# Altium PCB UCC28740DR Flyback converter PCB.PcbDoc
Units mm, origin at the board's own origin, x right, y up, seen from the top; angles counter-clockwise.
Board outline 125 x 193.4 mm, 2 copper layers (Top Layer, Bottom Layer), stack 1.569 mm thick; 135 components, 68 nets, 345 pads, 117 vias.
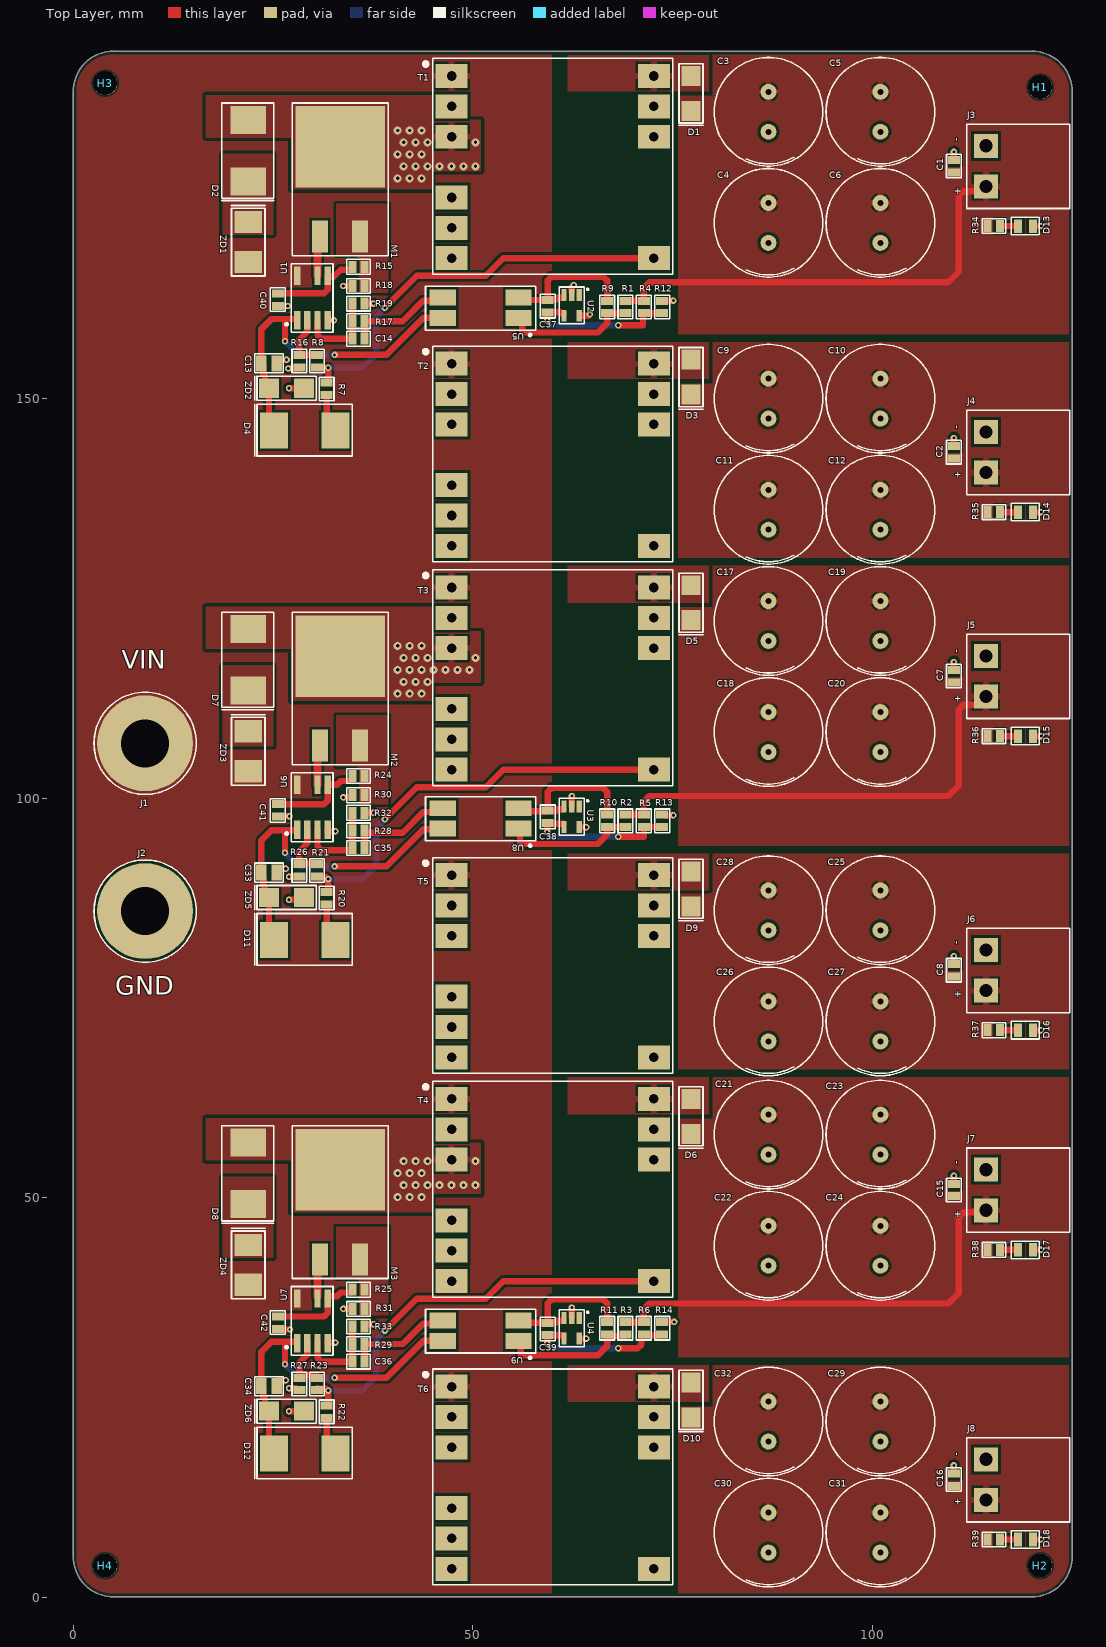
[diagram p0: Top Layer view]
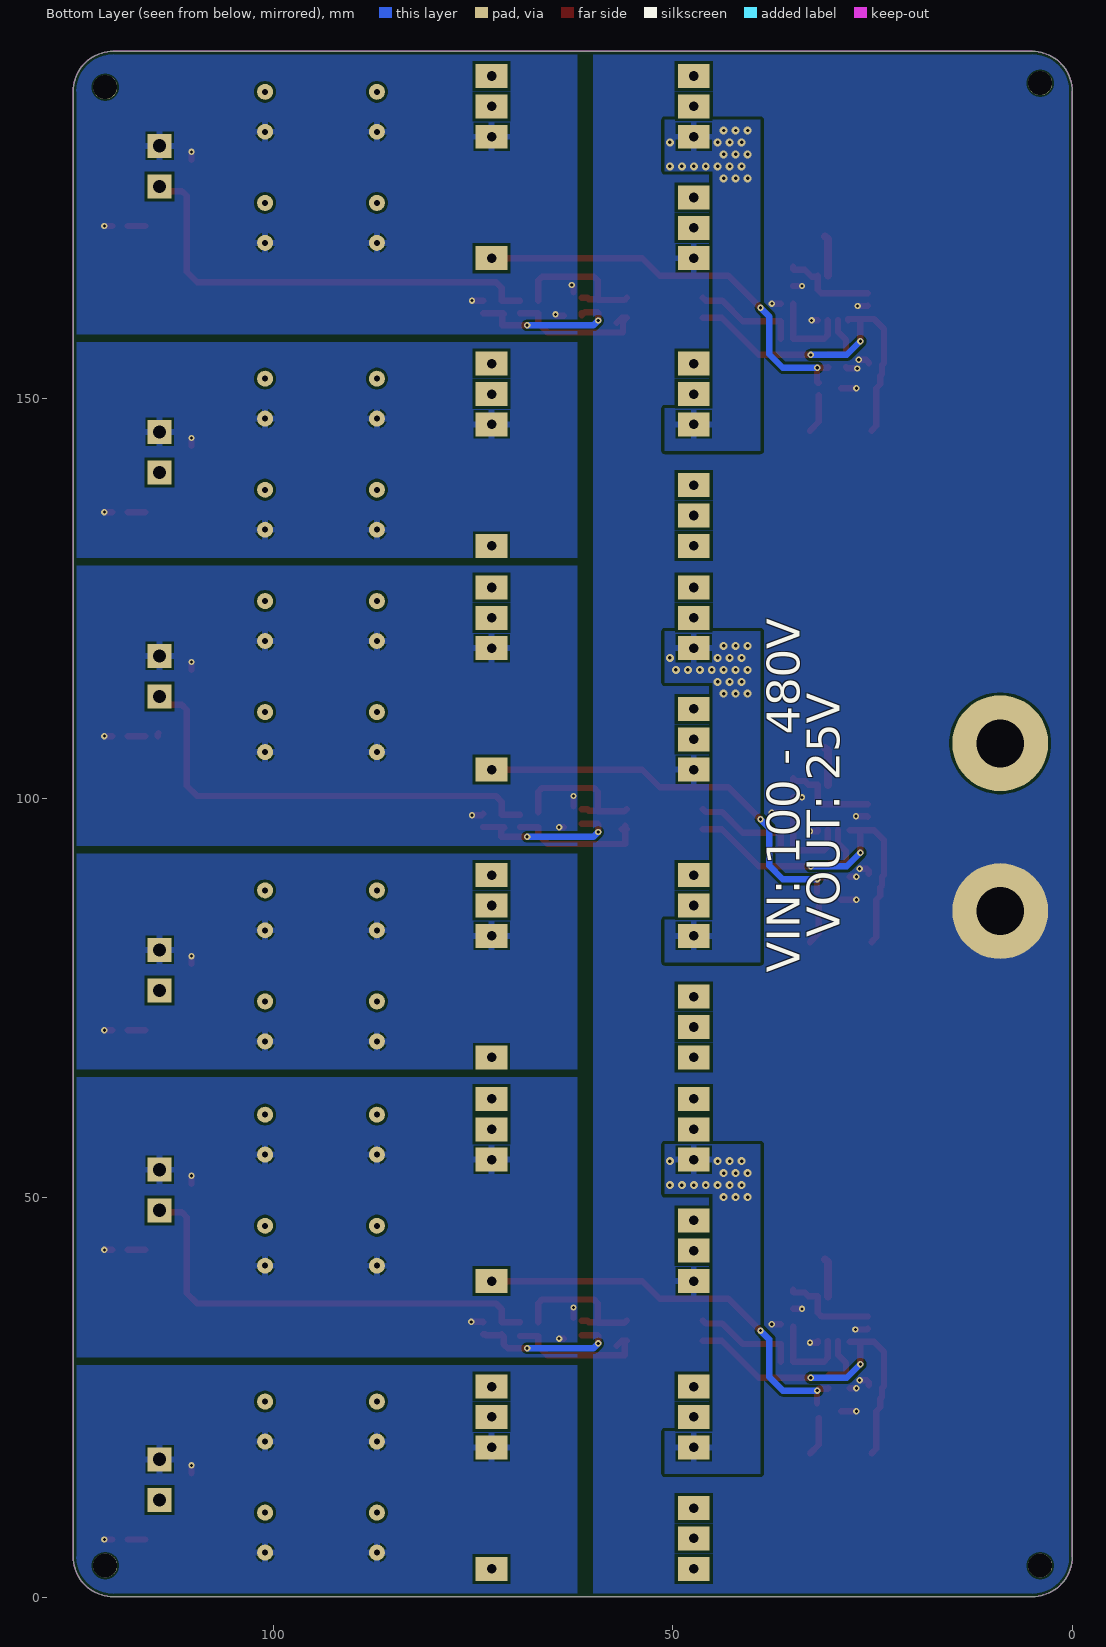
[diagram p1: Bottom Layer view, seen from below]
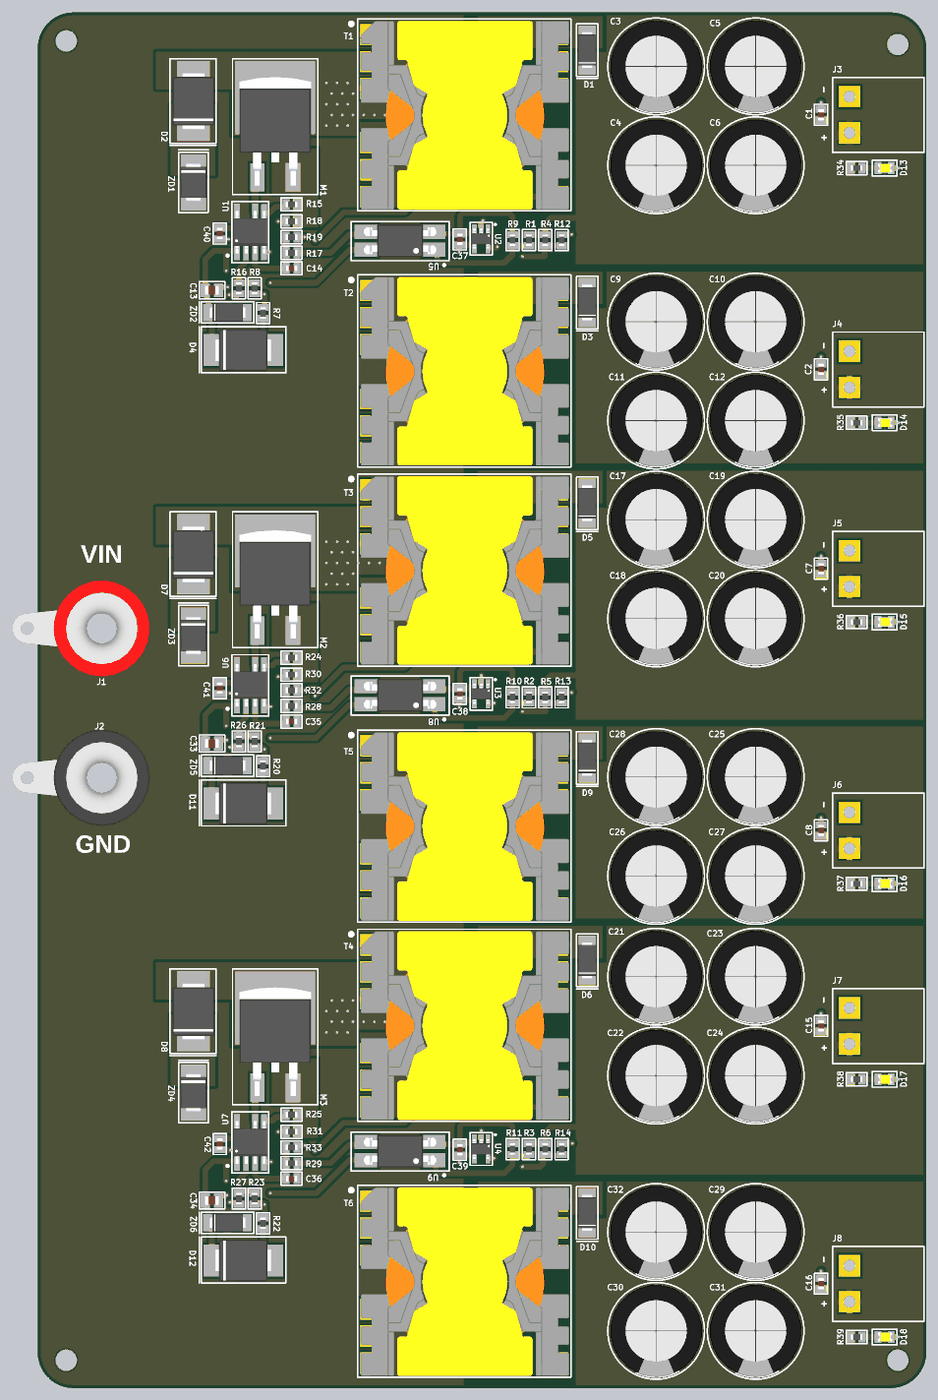
[diagram p2: 3D render of the assembled board from above, using the file's embedded part models]

## Layer stack, top to bottom
Top Solder: solder mask 0.0254, SM-001, Dk 4
Top Layer: signal copper 0.035
Dielectric 1: core 1.4986, Core-043, Dk 4.3
Bottom Layer: signal copper 0.035
Bottom Solder: solder mask 0.0254, SM-001, Dk 4

## Board outline
0,5.1 0,188.5 cw(c5,188.5) 5,193.5 120,193.5 cw(c120,188.5) 125,188.5 125,5.1 cw(c120,5.1) 120,0.1 5,0.1 cw(c5,5.1)

## Design rules (kind name [scope] priority, off if disabled: settings)
Clearance [All] p1: gap=0.2 ignorepadtopadclearanceinfootprint=FALSE except(0.15: SMDPad-SMDPad; 0.25: THPad-THPad; 0.35: Arc-Fill Arc-Poly Arc-Region Track-Fill Track-Poly Track-Region SMDPad-Fill SMDPad-Poly SMDPad-Region THPad-Fill THPad-Poly THPad-Region Via-Fill Via-Poly Via-Region; 0.4: Fill-Fill Fill-Poly Fill-Region Poly-Poly Poly-Region Region-Region)
Height [All] p1: minheight=0 maxheight=40 prefheight=12.7
HoleSize [All] p1: absolutevalues=TRUE maxlimit=6.3 minlimit=0.2 maxpercent=80.000 minpercent=20.000
HoleToHoleClearance HoleToHoleClearance_Pads [IsPad] p1: gap=0.45 allowstackedmicrovias=TRUE
HoleToHoleClearance HoleToHoleClearance_VIAs [IsVia] p2: gap=0.2 allowstackedmicrovias=TRUE
MinimumAnnularRing [IsPad] p1: minimumring=0.2
MinimumSolderMaskSliver [All] p1: minsoldermaskwidth=0.1
PolygonConnect [All] p1: thpad.connectstyle=Relief thpad.reliefconductorwidth=0.8 thpad.reliefentries=4 thpad.polygonreliefangle="90 Angle" thpad.airgapwidth=0.254 smdpad.connectstyle=Direct smdpad.reliefconductorwidth=0.254 smdpad.reliefentries=4 smdpad.polygonreliefangle="90 Angle" smdpad.airgapwidth=0.254 via.connectstyle=Direct via.reliefconductorwidth=0.254 via.reliefentries=4 via.polygonreliefangle="90 Angle" via.airgapwidth=0.254
RoutingVias [All] p1: holewidth=0.35 width=0.6 viastyle="Through Hole" minholewidth=0.3 minwidth=0.5 maxholewidth=1 maxwidth=2
SilkToSilkClearance [All] p1: silktosilkclearance=0.2
SilkToSolderMaskClearance [IsText] p1: minsilkscreentomaskgap=0.254 clearancetoexposedcopper=TRUE
SolderMaskExpansion [All] p1: expansion=0.038 istentingtop=FALSE
Width [All] p1: maxlimit=5 minlimit=0.16 preferedwidth=1 toplayer_prefwidth=0.6 minimp=50.000000 maximp=50.000000 favimp=50.000000
24 further rules are at their usual default settings.

## Components (designator, comment, footprint, x,y, rotation, side; value= is the part's Value field where it differs from the comment)
C1 "100n" 0603-CAP 110.2,179.125 r270 top
C2 "100n" 0603-CAP 110.2,143.325 r270 top
C3 "330u" "Electrolytic Capacitor D13 P5 H25" 87,185.925 r90 top
C4 "330u" "Electrolytic Capacitor D13 P5 H25" 87,172.025 r90 top
C5 "330u" "Electrolytic Capacitor D13 P5 H25" 101,185.925 r90 top
C6 "330u" "Electrolytic Capacitor D13 P5 H25" 101,172.025 r90 top
C7 "100n" 0603-CAP 110.2,115.3 r270 top
C8 "100n" 0603-CAP 110.2,78.5 r270 top
C9 "330u" "Electrolytic Capacitor D13 P5 H25" 87,150.025 r90 top
C10 "330u" "Electrolytic Capacitor D13 P5 H25" 101,150.025 r90 top
C11 "330u" "Electrolytic Capacitor D13 P5 H25" 87,136.125 r90 top
C12 "330u" "Electrolytic Capacitor D13 P5 H25" 101,136.125 r90 top
C13 "4.7u" 0805-CAP 24.5,154.45 r180 top
C14 "100n" 0603-CAP 35.7,157.525 r0 top
C15 "100n" 0603-CAP 110.2,51 r270 top
C16 "100n" 0603-CAP 110.2,14.76 r270 top
C17 "330u" "Electrolytic Capacitor D13 P5 H25" 87,122.2 r90 top
C18 "330u" "Electrolytic Capacitor D13 P5 H25" 87,108.3 r90 top
C19 "330u" "Electrolytic Capacitor D13 P5 H25" 101,122.2 r90 top
C20 "330u" "Electrolytic Capacitor D13 P5 H25" 101,108.3 r90 top
C21 "330u" "Electrolytic Capacitor D13 P5 H25" 87,57.925 r90 top
C22 "330u" "Electrolytic Capacitor D13 P5 H25" 87,44.025 r90 top
C23 "330u" "Electrolytic Capacitor D13 P5 H25" 101,57.925 r90 top
C24 "330u" "Electrolytic Capacitor D13 P5 H25" 101,44.025 r90 top
C25 "330u" "Electrolytic Capacitor D13 P5 H25" 101,86 r90 top
C26 "330u" "Electrolytic Capacitor D13 P5 H25" 87,72.1 r90 top
C27 "330u" "Electrolytic Capacitor D13 P5 H25" 101,72.1 r90 top
C28 "330u" "Electrolytic Capacitor D13 P5 H25" 87,86 r90 top
C29 "330u" "Electrolytic Capacitor D13 P5 H25" 101,22.025 r90 top
C30 "330u" "Electrolytic Capacitor D13 P5 H25" 87,8.125 r90 top
C31 "330u" "Electrolytic Capacitor D13 P5 H25" 101,8.125 r90 top
C32 "330u" "Electrolytic Capacitor D13 P5 H25" 87,22.025 r90 top
C33 "4.7u" 0805-CAP 24.5,90.725 r180 top
C34 "4.7u" 0805-CAP 24.5,26.45 r180 top
C35 "100n" 0603-CAP 35.7,93.8 r0 top
C36 "100n" 0603-CAP 35.7,29.525 r0 top
C37 "1n" 0603-CAP 59.375,161.6 r90 top
C38 "1n" 0603-CAP 59.375,97.7 r270 top
C39 "1n" 0603-CAP 59.375,33.6 r270 top
C40 "1n" 0603-CAP 25.6,162.425 r90 top
C41 "1n" 0603-CAP 25.6,98.5 r90 top
C42 "1n" 0603-CAP 25.6,34.4 r90 top
D1 "Schottky Diode" SMA(DO-214AC) 77.3,188.225 r90 top
D2 "Fast Diode" "SMC diode" 21.9,181.025 r90 top
D3 "Schottky Diode" SMA(DO-214AC) 77.3,152.725 r90 top
D4 "Fast Diode" "SMC diode" 28.9,146.025 r0 top
D5 "Schottky Diode" SMA(DO-214AC) 77.3,124.5 r90 top
D6 "Schottky Diode" SMA(DO-214AC) 77.3,60.225 r90 top
D7 "Fast Diode" "SMC diode" 21.9,117.3 r90 top
D8 "Fast Diode" "SMC diode" 21.9,53.025 r90 top
D9 "Schottky Diode" SMA(DO-214AC) 77.3,88.7 r90 top
D10 "Schottky Diode" SMA(DO-214AC) 77.3,24.725 r90 top
D11 "Fast Diode" "SMC diode" 28.9,82.3 r0 top
D12 "Fast Diode" "SMC diode" 28.9,18.025 r0 top
D13 "Yellow LED" "yellow led" 119.2,171.625 r180 top
D14 "Yellow LED" "yellow led" 119.2,135.825 r180 top
D15 "Yellow LED" "yellow led" 119.2,107.8 r180 top
D16 "Yellow LED" "yellow led" 119.2,71 r180 top
D17 "Yellow LED" "yellow led" 119.2,43.5 r180 top
D18 "Yellow LED" "yellow led" 119.2,7.26 r180 top
H1 "Mounting hole" "Monting Hole"#1 121,144 r0 top
H2 "Mounting hole" "Monting Hole"#2 121,4 r0 top
H3 "Mounting hole" "Monting Hole"#3 4,137.825 r0 top
H4 "Mounting hole" "Monting Hole"#2 4,4 r0 top
J1 "Banana Connector Red" "BANNANA CONNECTOR RED" 9,106.9 r90 top
J2 "Banana Connector Black" "BANNANA CONNECTOR BLACK" 9,85.9 r90 top
J3 "Plugg" "PLUGGABLE TERMINAL BLOCK 2" 114.2,179.125 r270 top
J4 "Plugg" "PLUGGABLE TERMINAL BLOCK 2" 114.2,143.325 r270 top
J5 "Plugg" "PLUGGABLE TERMINAL BLOCK 2" 114.2,115.3 r270 top
J6 "Plugg" "PLUGGABLE TERMINAL BLOCK 2" 114.2,78.5 r270 top
J7 "Plugg" "PLUGGABLE TERMINAL BLOCK 2" 114.2,51 r270 top
J8 "Plugg" "PLUGGABLE TERMINAL BLOCK 2" 114.2,14.76 r270 top
M1 "650V 20A MOSFET" TO-263 33.4,178.325 r0 top
M2 "650V 20A MOSFET" TO-263 33.4,114.6 r0 top
M3 "650V 20A MOSFET" TO-263 33.4,50.325 r0 top
R1 "15K" 0603-RES 69.1,161.5 r270 top
R2 "15K" 0603-RES 69.1,97.2 r270 top
R3 "15K" 0603-RES 69.1,33.7 r270 top
R4 "390K" 0603-RES 71.4,161.5 r270 top
R5 "390K" 0603-RES 71.4,97.2 r270 top
R6 "390K" 0603-RES 71.4,33.7 r270 top
R7 "22R" 0603-RES 31.7,151.25 r270 top
R8 "95K" 0603-RES 30.5,154.725 r90 top
R9 "1K" 0603-RES 66.8,161.5 r90 top
R10 "1K" 0603-RES 66.8,97.2 r90 top
R11 "1K" 0603-RES 66.8,33.7 r90 top
R12 "43K" 0603-RES 73.7,161.5 r90 top
R13 "43K" 0603-RES 73.7,97.2 r90 top
R14 "43K" 0603-RES 73.7,33.7 r90 top
R15 "1.37K" 0603-RES 35.7,166.525 r180 top
R16 "15K" 0603-RES 28.3,154.725 r270 top
R17 "205K" 0603-RES 35.7,159.725 r180 top
R18 "100m" 0603-RES 35.7,164.125 r180 top
R19 "18.7K" 0603-RES 35.7,161.925 r0 top
R20 "22R" 0603-RES 31.7,87.525 r270 top
R21 "95K" 0603-RES 30.5,91 r90 top
R22 "22R" 0603-RES 31.7,23.25 r270 top
R23 "95K" 0603-RES 30.5,26.725 r90 top
R24 "1.37K" 0603-RES 35.7,102.8 r180 top
R25 "1.37K" 0603-RES 35.7,38.525 r180 top
R26 "15K" 0603-RES 28.3,91 r270 top
R27 "15K" 0603-RES 28.3,26.725 r270 top
R28 "205K" 0603-RES 35.7,96 r180 top
R29 "205K" 0603-RES 35.7,31.725 r180 top
R30 "100m" 0603-RES 35.7,100.4 r180 top
R31 "100m" 0603-RES 35.7,36.125 r180 top
R32 "18.7K" 0603-RES 35.7,98.2 r0 top
R33 "18.7K" 0603-RES 35.7,33.925 r0 top
R34 "10K" 0603-RES 115.2,171.625 r0 top
R35 "10K" 0603-RES 115.2,135.825 r0 top
R36 "10K" 0603-RES 115.2,107.8 r0 top
R37 "10K" 0603-RES 115.2,71 r0 top
R38 "10K" 0603-RES 115.2,43.5 r0 top
R39 "10K" 0603-RES 115.2,7.26 r0 top
T1 "750343068" "29.2X30.35 TRANSFORMER" 60,179 r0 top
T2 "750343068" "29.2X30.35 TRANSFORMER" 60,143 r0 top
T3 "750343068" "29.2X30.35 TRANSFORMER" 60,115 r0 top
T4 "750343068" "29.2X30.35 TRANSFORMER" 60,51 r0 top
T5 "750343068" "29.2X30.35 TRANSFORMER" 60,79 r0 top
T6 "750343068" "29.2X30.35 TRANSFORMER" 60,15 r0 top
U1 "UCC2870DR" SOIC-7 29.3,162.625 r90 top
U2 "TL431IDBVR" SOT-23-5 62.375,161.7 r270 top
U3 "TL431IDBVR" SOT-23-5 62.375,97.7 r270 top
U4 "TL431IDBVR" SOT-23-5 62.375,33.7 r270 top
U5 "Optocoupler" "SMD-4P Optocoupler" 50.975,161.4 r180 top
U6 "UCC2870DR" SOIC-7 29.3,98.9 r90 top
U7 "UCC2870DR" SOIC-7 29.3,34.625 r90 top
U8 "Optocoupler" "SMD-4P Optocoupler" 50.975,97.5 r180 top
U9 "Optocoupler" "SMD-4P Optocoupler" 50.975,33.4 r180 top
ZD1 "Zener Diode 120V" "SMB Zener diode" 21.9,169.625 r270 top
ZD2 "Zener Diode 24V" SMA(DO-214AC) 26.7,151.325 r0 top
ZD3 "Zener Diode 120V" "SMB Zener diode" 21.9,105.9 r270 top
ZD4 "Zener Diode 120V" "SMB Zener diode" 21.9,41.625 r270 top
ZD5 "Zener Diode 24V" SMA(DO-214AC) 26.7,87.6 r0 top
ZD6 "Zener Diode 24V" SMA(DO-214AC) 26.7,23.325 r0 top

## Footprints (in the part's own frame and the unit in brackets; to place one, negate y for a bottom-side part, rotate by r counter-clockwise, add the part's x,y. Pads: shape width x height; smd on the part's side, far side on the other; paste and mask are expansions set on the pad)
"29.2X30.35 TRANSFORMER" [mm]
  rect 4x3 hole 1.2: 1(-12.65,11.4) 2(-12.65,7.6) 3(-12.65,3.8) 4(-12.65,-3.8) 5(-12.65,-7.6) 6(-12.65,-11.4) 7(12.65,-11.4) 10(12.65,3.8) 11(12.65,7.6) 12(12.65,11.4)
  silkscreen extent -16.12,-13.4 15,13.6, body extent -14.55,-13.2 14.75,13.3, height 29.04
0603-CAP [mm]
  rect 1x1.5 smd mask+0.04: 1(0.775,0) 2(-0.775,0)
  silkscreen extent -1.48,-0.92 1.48,0.92, body extent -0.8,-0.4 0.8,0.4, height 0.94
0603-RES [mm]
  rect 1x1.5 smd mask+0.04: 1(0.775,0) 2(-0.775,0)
  silkscreen extent -1.48,-0.92 1.48,0.92, body extent -0.8,-0.4 0.8,0.4, height 0.45
0805-CAP [mm]
  rect 1.3x2 smd mask+0.04: 1(0.95,0) 2(-0.95,0)
  silkscreen extent -1.8,-1.2 1.8,1.2, body extent -1,-0.63 1,0.63, height 1.45
"BANNANA CONNECTOR BLACK" [mm]
  round 12 hole 6: 1(0,0)
  silkscreen extent -6.4,-6.4 6.4,6.4, body extent -6.77,-6.77 6.77,12.56, height 8.46
"BANNANA CONNECTOR RED" [mm]
  round 12 hole 6: 1(0,0)
  silkscreen extent -6.4,-6.4 6.4,6.4, body extent -6.77,-6.77 6.77,12.56, height 8.46
"Electrolytic Capacitor D13 P5 H25" [mm]
  round 2 hole 0.75: 1(-2.5,0) 2(2.5,0)
  silkscreen extent -6.8,-6.8 6.8,6.8, body extent -6.51,-6.5 6.51,6.5, height 25
"Monting Hole"#1 [mm]
  round 3 hole 3: 1(0,45)
"Monting Hole"#2 [mm]
  round 3 hole 3: 1(0,0)
"Monting Hole"#3 [mm]
  round 3 hole 3: 1(0,51.675)
"PLUGGABLE TERMINAL BLOCK 2" [mm]
  rect 3x3 hole 1.65: 1(2.54,0) 2(-2.54,0)
  silkscreen extent -5.25,-2.37 5.3,10.48, body extent -5,-1.8 5,10.2, height 8.47
SMA(DO-214AC) [mm]
  rect 2.5x2.4 smd: 1(-2.2,0) 2(2.175,0)
  silkscreen extent -4,-1.5 3.7,1.5, body extent -2.57,-1.28 2.57,1.28, height 2.5
"SMB Zener diode" [mm]
  rect 2.8x3.5 smd: 1(-2.5,0) 2(2.5,0)
  silkscreen extent -4.57,-2.1 4.25,2.1, body extent -2.67,-1.81 2.67,1.81, height 2.65
"SMC diode" [mm]
  rect 3.5x4.5 smd: 1(-3.8,0) 2(3.9,0)
  silkscreen extent -6.2,-3.18 6,3.3, body extent -3.97,-2.95 3.97,2.95, height 2.62
"SMD-4P Optocoupler" [mm]
  rect 3.3x2 smd: 1(-4.75,1.27) 2(-4.75,-1.27) 3(4.75,1.27) 4(4.75,-1.27)
  silkscreen extent -6.9,-2.7 6.9,3.5, body extent -5.08,-2.3 5.08,2.3, height 3.85
SOIC-7 [mm]
  rect 2.3x0.8 smd: 1(-2.8,1.27) 2(-2.8,0) 3(-2.8,-1.27) 4(-2.8,-2.54) 5(2.8,-2.54) 6(2.8,-1.27) 7(2.8,1.27)
  silkscreen extent -4.3,-3.2 4.3,2.7, body extent -3,-3.1 3,1.8, height 1.75
SOT-23-5 [mm]
  rect 1.5x0.65 smd: 1(-1.3,0.95) 3(-1.3,-0.95) 4(1.3,-0.95) 5(-1.3,0) 5(1.3,0.95)
  silkscreen extent -2.3,-1.55 2.3,2.1, body extent -1.4,-1.45 1.4,1.45, height 1.45
TO-263 [mm]
  rect 2x4 smd: 1(-2.5,-8) 3(2.5,-8)
  rect 11.2x10.2 smd: 2(0,3.2)
  silkscreen extent -6,-10.4 6,8.7, body extent -5.03,-9.15 5.03,6.09, height 4.83
"yellow led" [mm]
  rect 1x1.7 smd: 1(1,0) 2(-0.9,0)
  silkscreen extent -1.7,-1.1 1.8,1.1, body extent -1.01,-0.63 1.01,0.63, height 0.8

## Part data
C1 C2 C7 C8 C14 C15 C16 C35 C36: library part "Cap 100nF", "50V 100nF X7R ±10% 0603 Multilayer Ceramic Capacitors MLCC - SMD/SMT ROHS", Manufacturer=YAGEO, Mfr. part #=CC0603KRX7R9BB104, Price=0.002, Supplier="LCSC ELECTRONICS", Supplier part #=C14663
C3 C4 C5 C6 C9 C10 C11 C12 C17 C18 C19 C20 C21 C22 C23 C24 C25 C26 C27 C28 C29 C30 C31 C32: library part "Electrolytic Cap 330u", "330uF 100V Plugin,D13xL26mm Aluminum Electrolytic Capacitors - Leaded ROHS", Manufacturer=HRK, Mfr. part #=CD2883372AM1326VFL, Price=0.1684, Supplier="LCSC ELECTRONICS", Supplier part #=C7493849
C13 C33 C34: library part "Cap 4.7uF", "50V 4.7uF X7R ±10% 0805 Multilayer Ceramic Capacitors MLCC - SMD/SMT ROHS", Manufacturer="FH (Guangdong Fenghua Advanced Tech)", Mfr. part #=0805B475K500NT, Price=0.0363, Supplier="LCSC ELECTRONICS", Supplier part #=C2991173
C37 C38 C39 C40 C41 C42: library part "Cap 1nF", "50V 1nF X7R ±10% 0603 Multilayer Ceramic Capacitors MLCC - SMD/SMT ROHS", Manufacturer=YAGEO, Mfr. part #=CC0603KRX7R9BB102, Price=0.002, Supplier="LCSC ELECTRONICS", Supplier part #=C100040
D1 D3 D5 D6 D9 D10: "100V Independent Type 850mV@5A 5A SMA(DO-214AC) Schottky Diodes ROHS", Manufacturer=TWGMC, Mfr. part #=SS510, Price=0.0458, Supplier="LCSC ELECTRONICS", Supplier part #=C727067
D2 D4 D7 D8 D11 D12: "1.7V@8A 80ns Independent Type 8A 1kV SMC Fast Recovery / High Efficiency Diodes ROHS", Manufacturer="Shandong Jingdao Microelectronics", Mfr. part #=US8MC, Price=0.0613, Supplier="LCSC ELECTRONICS", Supplier part #=C382940
D13 D14 D15 D16 D17 D18: "2-Yellow lens-30℃~+85℃ Positive post White 120° 80mW 0805 Light Emitting Diodes (LED) ROHS", Manufacturer=XINGLIGHT, Mfr. part #=XL-2012UWC, Price=0.0092, Supplier="LCSC ELECTRONICS", Supplier part #=C965818
J1: "Terminal Red Banana Connectors / Alligator Clips ROHS", Manufacturer="Changzhou Amass Elec", Mfr. part #=24.247.1, Price=0.1796, Supplier="LCSC ELECTRONICS", Supplier part #=C106273
J2: "Terminal Black Banana Connectors / Alligator Clips ROHS", Manufacturer="Changzhou Amass Elec", Mfr. part #=24.247.2, Price=0.1626, Supplier="LCSC ELECTRONICS", Supplier part #=C106272
J3 J4 J5 J6 J7 J8: library part "Pluggable Rozzeta 2P", "2 Bend 1 5.08mm 1x2P Green Board Edge/Receptacle-Open Push-Pull,P=5.08mm Pluggable System Terminal Block", Manufacturer="Ningbo Kangnex Elec", Mfr. part #=WJ2EDGR-5.08-2P, Price=0.0342, Supplier="LCSC ELECTRONICS", Supplier part #=C8383
M1 M2 M3: "650V 20A 190mΩ 126W 3.5V TO-263 MOSFETs ROHS", Manufacturer=ANHI, Mfr. part #=ASB65R220E, Price=1.0433, Supplier="LCSC ELECTRONICS", Supplier part #=C18199767
R1 R2 R3 R16 R26 R27: library part "Resistor 15K", "100mW Thick Film Resistors 75V ±100ppm/℃ ±1% 15kΩ 0603 Chip Resistor - Surface Mount ROHS", Manufacturer=FOJAN, Mfr. part #=FRC0603F1502TS, Price=0.0009, Supplier="LCSC ELECTRONICS", Supplier part #=C2906995
R4 R5 R6: library part "Resistor 390K", "100mW Thick Film Resistors 75V ±100ppm/℃ ±5% 390kΩ 0603 Chip Resistor - Surface Mount ROHS", Manufacturer=FOJAN, Mfr. part #="FRC0603J394 TS", Price=0.0007, Supplier="LCSC ELECTRONICS", Supplier part #=C2907158
R7 R20 R22: library part "Resistor 22R", "100mW Thick Film Resistors 75V ±100ppm/℃ ±5% 22Ω 0603 Chip Resistor - Surface Mount ROHS", Manufacturer=FOJAN, Mfr. part #="FRC0603J220 TS", Price=0.0007, Supplier="LCSC ELECTRONICS", Supplier part #=C2907129
R8 R21 R23: library part "Resistor 95K", "100mW Thick Film Resistors 75V ±100ppm/℃ ±1% 95.3kΩ 0603 Chip Resistor - Surface Mount ROHSFOJAN", Manufacturer=FOJAN, Mfr. part #=FRC0603F9532TS, Price=0.0009, Supplier="LCSC ELECTRONICS", Supplier part #=C2907078
R9 R10 R11: library part "Resistor 1K", "100mW Thick Film Resistors 75V ±100ppm/℃ ±5% 1kΩ 0603 Chip Resistor - Surface Mount ROHS", Manufacturer=FOJAN, Mfr. part #="FRC0603J102 TS", Price=0.0008, Supplier="LCSC ELECTRONICS", Supplier part #=C2907113
R12 R13 R14: library part "Resistor 43K", "100mW Thick Film Resistors 75V ±100ppm/℃ ±1% 43kΩ 0603 Chip Resistor - Surface Mount ROHS", Manufacturer=FOJAN, Mfr. part #=FRC0603F4302TS, Price=0.0008, Supplier="LCSC ELECTRONICS", Supplier part #=C2907038
R15 R24 R25: library part "Resistor 1.37K", "100mW Thick Film Resistors 75V ±100ppm/℃ ±1% 1.37kΩ 0603 Chip Resistor - Surface Mount ROHS", Manufacturer=FOJAN, Mfr. part #=FRC0603F1371TS, Price=0.0008, Supplier="LCSC ELECTRONICS", Supplier part #=C2933142
R17 R28 R29: library part "Resistor 205K", "100mW Thick Film Resistors 75V ±100ppm/℃ ±1% 205kΩ 0603 Chip Resistor - Surface Mount ROHS", Manufacturer=FOJAN, Mfr. part #=FRC0603F2053TS, Price=0.0008, Supplier="LCSC ELECTRONICS", Supplier part #=C5126104
R18 R30 R31: library part "Resistor 100mohm", "100mW Thick Film Resistors 75V ±800ppm/℃ ±1% 140mΩ 0603 Chip Resistor - Surface Mount ROHS", Manufacturer="UNI-ROYAL(Uniroyal Elec)", Mfr. part #=0603WAJ010KT5E, Price=0.003, Supplier="LCSC ELECTRONICS", Supplier part #=C247025
R19 R32 R33: library part "Resistor 18.7K", "100mW Thick Film Resistors 75V ±100ppm/℃ ±1% 18.7kΩ 0603 Chip Resistor - Surface Mount ROHS", Manufacturer=YAGEO, Mfr. part #=RC0603FR-0718K7L, Price=0.0012, Supplier="LCSC ELECTRONICS", Supplier part #=C273772
R34 R35 R36 R37 R38 R39: library part "Resistor 10K", "100mW Thick Film Resistors 75V ±100ppm/℃ ±1% 10kΩ 0603 Chip Resistor - Surface Mount ROHS", Manufacturer="UNI-ROYAL(Uniroyal Elec)", Mfr. part #=0603WAF1002T5E, Price=0.0009, Supplier="LCSC ELECTRONICS", Supplier part #=C25804
T1 T2 T3 T4 T5 T6: library part "Switching Transformer", "Power Transformers MID-OLTI UCC28740 230 uH 60 W", Manufacturer="Wurth Elektronik", Mfr. part #=750343068, Price=11.13, Supplier="Mouser Electronics", Supplier part #=710-750343068
U1 U6 U7: library part "UCC2870DR Flyback Controller", "170Hz~100kHz 9V~35V SOIC-7 AC-DC Controllers and Regulators ROHS", Manufacturer="Texas Instruments", Mfr. part #=UCC28740DR, Price=0.7506, Supplier="LCSC ELECTRONICS", Supplier part #=C182073
U2 U3 U4: library part "Adjustable Voltage reference", "2.495V~36V ±2.2% 100mA Adjustable SOT-23-5 Voltage Reference ROHS", Manufacturer="Texas Instruments", Mfr. part #=TL431IDBVR, Price=0.1527, Supplier="LCSC ELECTRONICS", Supplier part #=C350567
U5 U8 U9: "80V 5kV 50mA 400mV@2.4mA,8mA 1 5V 1.15V DC SMD-4P Transistor, Photovoltaic Output Optoisolators ROHS", Manufacturer=TOSHIBA, Mfr. part #=TLP785(GB-TP6,F(C, Price=0.1007, Supplier="LCSC ELECTRONICS", Supplier part #=C45445
ZD1 ZD3 ZD4: "Independent Type 114V~126V 3W 120V SMB Zener Diodes ROHS", Manufacturer=LGE, Mfr. part #=3SMB5951B, Price=0.0722, Supplier="LCSC ELECTRONICS", Supplier part #=C2983228
ZD2 ZD5 ZD6: "Independent Type 22.8V~26V 1W 24V SMA(DO-214AC) Zener Diodes ROHS", Manufacturer="MDD(Microdiode Semiconductor)", Mfr. part #=1SMA4749A, Price=0.0392, Supplier="LCSC ELECTRONICS", Supplier part #=C173489

## Via types
v1: diameter 0.8, hole 0.4, Top Layer to Bottom Layer, tented both sides, 60 vias
v2: diameter 1, hole 0.4, Top Layer to Bottom Layer, tented both sides, 57 vias

## Nets (pads, with @x,y where several pads share a name; then routed paths per layer and width w, separated by ;. In a path a pad name is that pad's centre, name@x,y a point inside that pad or via, vN(x,y) a via of type N, cw(c..) or ccw(c..) an arc to the next point about the centre after c; other vN are vias at no path point)
25V_1: C1.1 C3.2 C4.2 C5.2 C6.2 D1.1 J3.1 R1.2 R4.2 R34.2 | length 57.5
  Top Layer w0.8: R1.2 R4.2 71.4,163.9 72.1,164.6 109.5,164.6 110.8,165.9 110.8,175.4 111.4,176 113.615,176 J3.1
25V_2: C2.1 C9.2 C10.2 C11.2 C12.2 D3.1 J4.1 R35.2
25V_3: C7.1 C17.2 C18.2 C19.2 C20.2 D5.1 J5.1 R2.2 R5.2 R36.2 | length 58.2
  Top Layer w0.8: R2.2 R5.2 71.4,99.6 72.1,100.3 109.5,100.3 110.8,101.6 110.8,111.1 111.4,111.7 113.615,111.7 J5.1@114.2,112.285 ; J5.1@114.04,112.6 J5.1 ; R36.2@114.325,108.15 114.425,108.05 R36.2
25V_4: C8.1 C25.2 C26.2 C27.2 C28.2 D9.1 J6.1 R37.2
25V_5: C15.1 C21.2 C22.2 C23.2 C24.2 D6.1 J7.1 R3.2 R6.2 R38.2 | length 57.5
  Top Layer w0.8: R3.2 R6.2 71.4,36.1 72.1,36.8 109.5,36.8 110.8,38.1 110.8,47.6 111.4,48.2 113.615,48.2 J7.1@114.2,48.785
25V_6: C16.1 C29.2 C30.2 C31.2 C32.2 D10.1 J8.1 R39.2
CS1: C40.1 R15.1 U1.5 | length 11.9
  Top Layer w0.8: C40.1 31.406,163.2 31.84,163.634 U1.5@31.84,165.3 ; U1.5 U1.5@31.84,165.3 ; R15.1 34.925,166.275 34.825,166.175 33.475,166.175 32.6,165.3 U1.5@31.84,165.3
CS2: C41.1 R24.1 U6.5 | length 12
  Top Layer w0.8: C41.1 31.371,99.275 31.84,99.744 U6.5 33,101.7 33.475,102.175 34.825,102.175 34.925,102.275 R24.1@34.925,102.525
CS3: C42.1 R25.1 U7.5 | length 11.8
  Top Layer w0.8: C42.1 31.371,35.175 31.84,35.644 U7.5 ; U7.5@31.84,37.7 33,37.7 33.475,38.175 34.825,38.175 34.925,38.275 R25.1
DRV1: M1.1 U1.6 | length 5
  Top Layer w1: U1.6 30.57,169.995 M1.1
DRV2: M2.1 U6.6 | length 4.8
  Top Layer w1: U6.6 30.57,103.17 30.57,105.995 M2.1@30.9,106.325
DRV3: M3.1 U7.6 | length 4.8
  Top Layer w1: U7.6@30.57,37.7 30.57,39.17 30.57,41.995 M3.1
FB1: C14.2 R17.1 R19.2 U1.3 | length 10.8
  Top Layer w0.8: U1.3 30.57,157.994 31.039,157.525 C14.2 R17.1 R19.2
FB2: C35.2 R28.1 R32.2 U6.3 | length 11.1
  Top Layer w0.8: U6.3 30.57,93.994 31.039,93.525 34.925,93.525 34.925,95.725 R32.2@34.925,97.925
FB3: C36.2 R29.1 R33.2 U7.3 | length 11.1
  Top Layer w0.8: U7.3@30.57,32.1 30.57,29.994 31.039,29.525 C36.2 R29.1 R33.2
GND: C13.2 C33.2 C34.2 C40.2 C41.2 C42.2 J2.1 R16.1 R18.1 R19.1 R26.1 R27.1 R30.1 R31.1 R32.1 R33.1 T1.6 T3.6 T4.6 U1.4 U6.4 U7.4 ZD2.2 ZD5.2 ZD6.2 | length 27.6
  Top Layer w0.8: C34.2@25.45,26.55 25.45,26.95 25.7,27.2 v1(26.6,27.2) ; C33.2@25.45,90.55 25.45,90.95 25.7,91.2 v1(26.6,91.2) ; C13.2 25.45,154.55 25.8,154.9 v1(26.7,154.9) ; C42.2 25.675,33.55 v1(27.125,33.55) ; C41.2 25.65,97.775 v1(27.05,97.775) ; C40.2 25.625,161.625 v1(26.85,161.625) ; v1(26.9,153.8) 26.938,153.838 28.188,153.838 R16.1 ; v1(27,23.325) ZD6.2 ; v1(27,26.2) R27.1@27.827,26.2 ; v1(27,87.325) ZD5.2@28.875,87.325 ; v1(27,90.2) R26.1@27.827,90.2 ; v1(27,151.325) ZD2.2 ; U7.4@31.84,32.1 31.84,31.9 v1(32.8,31.9) ; U6.4 31.84,95.9 v1(32.8,95.9) ; U1.4 v1(32.6,159.825) ; v1(33.8,36.125) R31.1 ; v1(33.8,100.125) R30.1@34.925,100.125 ; v1(33.8,164.125) R18.1 ; R33.1@36.475,34.2 v1(37.6,34.2) ; R32.1 v1(37.6,98.2) ; R19.1 v1(37.575,161.925)
GND1: C1.2 C3.1 C4.1 C5.1 C6.1 D13.2 J3.2 R12.1 T1.10 U2.5 | length 5.5
  Top Layer w0.8: U2.5@62.4,163.35 62.4,164.025 v1(62.625,164.25) ; U2.5@63.6,160.4 64.475,160.4 v1(64.65,160.575) ; R12.1 73.725,162.3 v1(75.1,162.3) ; C1.2 v1(110.2,180.9) ; D13.2 v1(121.1,171.625)
GND2: C2.2 C9.1 C10.1 C11.1 C12.1 D14.2 J4.2 T2.10 | length 2
  Top Layer w0.8: C2.2 v1(110.2,145.1) ; D14.2 v1(121.1,135.825)
GND3: C7.2 C17.1 C18.1 C19.1 C20.1 D15.2 J5.2 R13.1 T3.10 U3.5 | length 5.3
  Top Layer w0.8: U3.5@62.4,99.025 v1(62.4,100.3) ; U3.5@63.6,96.4 v1(64.2,96.4) ; R13.1@73.7,98.075 73.875,97.9 v1(75.1,97.9) ; C7.2 v1(110.2,117.075) ; D15.2 v1(121.1,107.8)
GND4: C8.2 C25.1 C26.1 C27.1 C28.1 D16.2 J6.2 T5.10 | length 2
  Top Layer w0.8: C8.2 v1(110.2,80.275) ; D16.2 v1(121.1,71)
GND5: C15.2 C21.1 C22.1 C23.1 C24.1 D17.2 J7.2 R14.1 T4.10 U4.5 | length 5.4
  Top Layer w0.8: U4.5@62.4,35.025 v1(62.4,36.3) ; U4.5@63.6,32.4 v1(64.2,32.4) ; R14.1 73.725,34.5 v1(75.2,34.5) ; C15.2 v1(110.2,52.775) ; D17.2 v1(121.1,43.5)
GND6: C16.2 C29.1 C30.1 C31.1 C32.1 D18.2 J8.2 T6.10 | length 2
  Top Layer w0.8: C16.2 v1(110.2,16.535) ; D18.2 v1(121.1,7.26)
NetC14_1: C14.1 R17.2 U5.4 | length 13.2
  Top Layer w0.8: C14.1 R17.2 41.225,159.725 43.8,162.3 45.855,162.3 U5.4
NetC35_1: C35.1 R28.2 U8.4 | length 13.2
  Top Layer w0.8: C35.1@36.475,93.525 36.475,95.725 41.225,95.725 43.8,98.3 45.855,98.3 U8.4@46.225,98.67
NetC36_1: C36.1 R29.2 U9.4 | length 13.2
  Top Layer w0.8: C36.1 R29.2 41.225,31.725 43.8,34.3 45.855,34.3 U9.4
NetC37_2: C37.2 R4.1 R12.2 U2.4 | length 19.8
  Top Layer w0.8: v1(59.3,159.8) 59.3,160.725 59.375,160.8 C37.2 60.956,160.825 61.031,160.75 61.35,160.75 U2.4@61.35,160.475 ; v1(68.2,159.2) 71.3,159.2 71.3,160.434 ccw(c71.109,160.434) 71.109,160.625 71.209,160.725 R4.1 R12.2
  Bottom Layer w0.8: v1(59.3,159.8) 59.9,159.2 v1(68.2,159.2)
NetC38_1: C38.1 R5.1 R13.2 U3.4 | length 19.2
  Top Layer w0.8: v1(59.3,95.8) 59.3,96.725 59.375,96.8 59.375,96.825 U3.4@61.35,96.825 ; v1(68.2,95.2) 71.418,95.2 71.418,96.243 cw(c71.6,96.243) 71.6,96.425 R13.2 ; R5.1@71.05,96.325 71.15,96.425 R5.1
  Bottom Layer w0.8: v1(59.3,95.8) 59.9,95.2 v1(68.2,95.2)
NetC39_1: C39.1 R6.1 R14.2 U4.4 | length 18.8
  Top Layer w0.8: v1(59.3,31.8) 59.3,32.725 59.375,32.8 C39.1 U4.4@61.35,32.825 ; v1(68.2,31.2) 70.641,31.2 71.109,31.669 71.109,32.625 R6.1@71.209,32.725 ; R6.1 71.5,32.825 73.35,32.825 73.45,32.925 R14.2
  Bottom Layer w0.8: v1(59.3,31.8) 59.9,31.2 v1(68.2,31.2)
NetD1_2: D1.2 T1.12
NetD2_1: D2.1 ZD1.1
NetD3_2: D3.2 T2.12
NetD4_2: D4.2 R7.1 | length 4.9
  Top Layer w0.8: R7.1 31.7,147.125 D4.2
NetD5_2: D5.2 T3.12
NetD6_2: D6.2 T4.12
NetD7_1: D7.1 ZD3.1
NetD8_1: D8.1 ZD4.1
NetD9_2: D9.2 T5.12
NetD10_2: D10.2 T6.12
NetD11_2: D11.2 R20.1 | length 4.9
  Top Layer w0.8: R20.1@31.7,86.475 31.7,83.125 D11.2@32.8,82.025
NetD12_2: D12.2 R22.1 | length 4.9
  Top Layer w0.8: R22.1 31.7,19.125 D12.2
NetD13_1: D13.1 R34.1 | length 2.2
  Top Layer w0.8: R34.1 D13.1
NetD14_1: D14.1 R35.1 | length 2.2
  Top Layer w0.8: R35.1 D14.1
NetD15_1: D15.1 R36.1 | length 2.2
  Top Layer w0.8: R36.1 D15.1
NetD16_1: D16.1 R37.1 | length 2.2
  Top Layer w0.8: R37.1 D16.1
NetD17_1: D17.1 R38.1 | length 2.2
  Top Layer w0.8: R38.1 D17.1
NetD18_1: D18.1 R39.1 | length 2.2
  Top Layer w0.8: R39.1 D18.1
NetR7_2: R7.2 R8.2 T1.7 | length 52.7
  Top Layer w0.8: R8.2 30.55,153.9 v1(31.9,153.9) 31.926,153.874 31.926,152.125 31.826,152.025 R7.2 ; v1(39,161.4) 43,165.4 51.6,165.4 53.8,167.6 T1.7
  Bottom Layer w0.8: v1(31.9,153.9) 36.2,153.9 37.9,155.6 37.9,160.3 v1(39,161.4)
NetR20_2: R20.2 R21.2 T3.7 | length 52.3
  Top Layer w0.8: R21.2 30.6,90.125 31.675,90.125 v1(31.9,89.9) 31.926,89.874 R20.2@31.926,88.3 ; v1(39,97.4) 43,101.4 51.6,101.4 53.8,103.6 T3.7
  Bottom Layer w0.8: v1(31.9,89.9) 36.2,89.9 37.9,91.6 37.9,96.3 v1(39,97.4)
NetR22_2: R22.2 R23.2 T4.7 | length 52.3
  Top Layer w0.8: R23.2@30.5,26.225 30.6,26.125 31.675,26.125 v1(31.9,25.9) 31.926,25.874 R22.2@31.926,24.3 ; v1(39,33.4) 43,37.4 51.6,37.4 53.8,39.6 T4.7
  Bottom Layer w0.8: v1(31.9,25.9) 36.2,25.9 37.9,27.6 37.9,32.3 v1(39,33.4)
SENSE1: M1.3 R15.2 R18.2
SENSE2: M2.3 R24.2 R30.2
SENSE3: M3.3 R25.2 R31.2
SW1: D2.2 M1.2 T1.3 T2.3
  other v2: 40.6,177.6 42.1,177.6 43.6,177.6 41.35,179.1 42.85,179.1 44.35,179.1 45.85,179.1 47.35,179.1 48.85,179.1 50.35,179.1 40.6,180.6 42.1,180.6 43.6,180.6 41.35,182.1 42.85,182.1 44.35,182.1 50.35,182.1 40.6,183.6 42.1,183.6 43.6,183.6
SW2: D7.2 M2.2 T3.3 T5.3
  other v2: 40.6,113.1 42.1,113.1 43.6,113.1 41.35,114.6 42.85,114.6 44.35,114.6 40.6,116.1 42.1,116.1 43.6,116.1 45.1,116.1 46.6,116.1 48.1,116.1 49.6,116.1 41.35,117.6 42.85,117.6 44.35,117.6 50.35,117.6 40.6,119.1 42.1,119.1 43.6,119.1
SW3: D8.2 M3.2 T4.3 T6.3
  other v2: 40.6,50.1 42.1,50.1 43.6,50.1 41.35,51.6 42.85,51.6 44.35,51.6 45.85,51.6 47.35,51.6 48.85,51.6 50.35,51.6 40.6,53.1 42.1,53.1 43.6,53.1 41.35,54.6 42.85,54.6 44.35,54.6 50.35,54.6
VDD1: C13.1 D4.1 U1.1 U5.3 ZD2.1 | length 43.8
  Top Layer w0.8: D4.1 24.5,146.625 ZD2.1 24,151.825 24,152.9 23.8,153.1 23.8,154.2 C13.1 23.55,158.75 24.8,160 26.5,160 26.8,160 ; v1(26.5,157.2) 26.5,159.7 26.8,160 ; U1.1 28.03,160 26.8,160 ; v1(32.7,155.5) 39.2,155.5 43.83,160.13 U5.3
  Bottom Layer w0.8: v1(26.5,157.2) 28.2,155.5 v1(32.7,155.5)
VDD2: C33.1 D11.1 U6.1 U8.3 ZD5.1 | length 43.4
  Top Layer w0.8: D11.1@25.1,82.025 24.5,82.625 24.5,87.325 24,87.825 24,88.9 23.8,89.1 23.8,90.2 23.55,90.45 23.55,94.75 24.8,96 26.8,96 ; v1(26.5,93.2) 26.5,95.7 26.8,96 ; U6.1@27.83,96 26.8,96 ; v1(32.7,91.5) 39.2,91.5 43.83,96.13 U8.3@46.225,96.13
  Bottom Layer w0.8: v1(26.5,93.2) 28.2,91.5 v1(32.7,91.5)
VDD3: C34.1 D12.1 U7.1 U9.3 ZD6.1 | length 43.4
  Top Layer w0.8: D12.1 24.5,18.625 ZD6.1 24,23.825 24,24.9 23.8,25.1 23.8,26.2 C34.1 23.55,30.75 24.8,32 26.8,32 ; v1(26.5,29.2) 26.5,31.7 26.8,32 ; U7.1@27.83,32 26.8,32 ; v1(32.7,27.5) 39.2,27.5 43.83,32.13 U9.3
  Bottom Layer w0.8: v1(26.5,29.2) 28.2,27.5 v1(32.7,27.5)
VIN: J1.1 T1.1 T2.1 T3.1 T4.1 T5.1 T6.1 U1.7 U6.7 U7.7 ZD1.2 ZD3.2 ZD4.2
VOUT1: R1.1 R9.2 U5.1 | length 18.2
  Top Layer w0.8: U5.1@56.975,159.53 56.375,160.13 U5.1 56.2,159.655 56.2,158.3 65.625,158.3 66.8,159.475 R9.2 R1.1
VOUT2: R2.1 R10.2 U8.1 | length 17.3
  Top Layer w0.8: U8.1@55.725,96.13 U8.1@55.9,96.13 ; 55.9,94.3 U8.1@55.9,96.13 ; U8.1@55.9,96.605 U8.1@55.9,96.13 ; 56,94.3 65.625,94.3 66.8,95.475 R10.2@66.8,96.2 ; U8.1@56.375,96.13 U8.1@55.9,96.13 ; R10.2 R2.1
VOUT3: R3.1 R11.2 U9.1 | length 18.3
  Top Layer w0.8: U9.1@56.975,31.53 56.375,32.13 U9.1 56,31.855 56,30.3 65.625,30.3 66.8,31.475 66.8,32.725 R3.1@69.1,32.725
VREF1: C37.1 R9.1 U2.3 U5.2 | length 18.7
  Top Layer w0.8: U5.2 56.02,162.375 C37.1 ; U2.3@61.35,162.65 60.65,162.65 60.475,162.475 59.475,162.475 C37.1 ; R9.1 66.8,164.831 66.331,165.3 59.844,165.3 59.375,164.831 C37.1
VREF2: C38.2 R10.1 U3.3 U8.2 | length 18.7
  Top Layer w0.8: U8.2@55.725,98.67 56.02,98.375 C38.2@59.375,98.375 ; U3.3@61.35,98.65 60.65,98.65 60.475,98.475 59.475,98.475 C38.2@59.375,98.375 ; R10.1@66.8,98.275 66.8,100.831 66.331,101.3 59.844,101.3 59.375,100.831 C38.2@59.375,98.375
VREF3: C39.2 R11.1 U4.3 U9.2 | length 18.5
  Top Layer w0.8: U9.2 56.02,34.375 C39.2 ; U4.3@61.35,34.65 60.65,34.65 60.475,34.475 59.475,34.475 C39.2 ; R11.1 66.8,36.831 66.331,37.3 59.844,37.3 59.375,36.831 C39.2
VS1: R8.1 R16.2 U1.2 | length 6.9
  Top Layer w0.8: U1.2 29.3,158.4 28.3,157.4 28.3,155.6 R16.2 R8.1
VS2: R21.1 R26.2 U6.2 | length 7
  Top Layer w0.8: U6.2 29.3,94.4 28.3,93.4 R26.2 28.384,91.859 30.416,91.859 R21.1
VS3: R23.1 R27.2 U7.2 | length 7
  Top Layer w0.8: U7.2@29.3,32.1 29.3,30.4 28.3,29.4 28.3,27.775 28.384,27.859 30.416,27.859 R23.1@30.5,27.775
pads on no net: H1.1 H2.1 H3.1 H4.1 T1.2 T1.4 T1.5 T1.11 T2.2 T2.4 T2.5 T2.6 T2.7 T2.11 T3.2 T3.4 T3.5 T3.11 T4.2 T4.4 T4.5 T4.11 T5.2 T5.4 T5.5 T5.6 T5.7 T5.11 T6.2 T6.4 T6.5 T6.6 T6.7 T6.11 U2.1 U3.1 U4.1

## Polygon pours and split planes (outlines as drawn)
VIN on Top Layer "VIN_L01_P087" (solid, remove dead copper, pour order 87): 59.9,193.5 59.9,0.1 5,0.1 cw(c5,5.1) 0,5.1 0,188.5 cw(c5,188.5) 5,193.5 7.1,193.5
SW3 on Top Layer "SW3_L01_P083" (solid, remove dead copper, pour order 83): 44.9,60 44.9,56.9 51,56.9 51,50.5 44.9,50.5 44.9,48.2 27.3,48.2 27.3,54.7 16.6,54.7 16.6,60
SW2 on Top Layer "SW2_L01_P082" (solid, remove dead copper, pour order 82): 44.9,124 44.9,120.9 51,120.9 51,114.5 44.9,114.5 44.9,112.2 27.3,112.2 27.3,118.7 16.6,118.7 16.6,124
SW1 on Top Layer "SW1_L01_P000" (solid, remove dead copper, pour order 0): 44.9,188 44.9,184.9 51,184.9 51,178.5 44.9,178.5 44.9,176.2 27.3,176.2 27.3,182.7 16.6,182.7 16.6,188
25V_6 on Top Layer "25V_6_L01_P068" (solid, remove dead copper, pour order 68): 120,0.1 ccw(c120,5.1) 125,5.1 125,5.6 125,29.1 80,29.1 80,23.9 75.7,23.9 75.7,0.1
25V_4 on Top Layer "25V_4_L01_P072" (solid, remove dead copper, pour order 72): 75.7,88.2 80,88.2 80,93.1 125,93.1 125,66.1 75.7,66.1
25V_3 on Top Layer "25V_3_L01_P071" (solid, remove dead copper, pour order 71): 75.7,123.9 80,123.9 80,129.1 125,129.1 125,94.1 75.7,94.1
25V_1 on Top Layer "25V_1_L01_P058" (solid, remove dead copper, pour order 58): 120.2,193.5 cw(c119.95,188.45) 125,188.2 125,187.5 125,158.1 75.7,158.1 75.7,187.9 80,187.9 80,193.5
25V_5 on Top Layer "25V_5_L01_P067" (solid, remove dead copper, pour order 67): 75.7,59.9 80,59.9 80,65.1 125,65.1 125,30.1 75.7,30.1
25V_2 on Top Layer "25V_2_L01_P064" (solid, remove dead copper, pour order 64): 75.7,151.9 80,151.9 80,157.1 125,157.1 125,130.1 75.7,130.1
NetD10_2 on Top Layer "NETD10_2_L01_P063" (solid, remove dead copper, pour order 63): 61.9,24.5 79.5,24.5 79.5,29.1 61.9,29.1
NetD6_2 on Top Layer "NETD6_2_L01_P062" (solid, remove dead copper, pour order 62): 61.9,60.5 79.5,60.5 79.5,65.1 61.9,65.1
NetD9_2 on Top Layer "NETD9_2_L01_P061" (solid, remove dead copper, pour order 61): 61.9,88.5 79.5,88.5 79.5,93.1 61.9,93.1
NetD5_2 on Top Layer "NETD5_2_L01_P060" (solid, remove dead copper, pour order 60): 61.9,124.5 79.5,124.5 79.5,129.1 61.9,129.1
NetD1_2 on Top Layer "NETD1_2_L01_P057" (solid, remove dead copper, pour order 57): 61.9,188.5 79.5,188.5 79.5,193 61.9,193
NetD3_2 on Top Layer "NETD3_2_L01_P059" (solid, remove dead copper, pour order 59): 61.9,152.5 79.5,152.5 79.5,157.1 61.9,157.1
NetD8_1 on Top Layer "NETD8_1_L01_P041" (solid, remove dead copper, pour order 41): 18.7,52.65 25,52.65 25,42.55 18.7,42.55
SENSE3 on Top Layer "SENSE3_L01_P040" (solid, remove dead copper, pour order 40): 39.4,46.4 39.4,35.3 35.8,35.3 35.8,39.6 35.4,40 32.933,40 32.933,46.4
NetD7_1 on Top Layer "NETD7_1_L01_P014" (solid, remove dead copper, pour order 14): 18.7,116.65 25,116.65 25,106.55 18.7,106.55
SENSE2 on Top Layer "SENSE2_L01_P013" (solid, remove dead copper, pour order 13): 39.4,110.4 39.4,99.3 35.8,99.3 35.8,103.6 35.4,104 32.933,104 32.933,110.4
NetD2_1 on Top Layer "NETD2_1_L01_P003" (solid, remove dead copper, pour order 3): 18.7,180.65 25,180.65 25,170.55 18.7,170.55
SENSE1 on Top Layer "SENSE1_L01_P002" (solid, remove dead copper, pour order 2): 39.4,174.4 39.4,163.3 35.8,163.3 35.8,167.6 35.4,168 32.933,168 32.933,174.4
GND on Bottom Layer "GND_L02_P088" (solid, remove dead copper, pour order 88): 59.9,193.5 59.9,0.1 5,0.1 cw(c5,5.1) 0,5.1 0,188.5 cw(c5,188.5) 5,193.5 7.1,193.5
SW3 on Bottom Layer "SW3_L02_P079" (solid, remove dead copper, pour order 79): 51,50.5 45,50.5 45,34.15 45,20.8 51,20.8 51,15.5 39,15.5 39,56.7 51,56.7
SW2 on Bottom Layer "SW2_L02_P078" (solid, remove dead copper, pour order 78): 51,114.5 45,114.5 45,98.15 45,84.8 51,84.8 51,79.5 39,79.5 39,120.9 51,120.9
GND6 on Bottom Layer "GND6_L02_P075" (solid, remove dead copper, pour order 75): 120,0.1 ccw(c120,5.1) 125,5.1 125,5.6 125,29.1 61.9,29.1 61.9,23.9 61.9,0.1
GND5 on Bottom Layer "GND5_L02_P073" (solid, remove dead copper, pour order 73): 61.9,65.1 125,65.1 125,30.1 61.9,30.1
GND4 on Bottom Layer "GND4_L02_P066" (solid, remove dead copper, pour order 66): 61.9,88.2 61.9,93.1 125,93.1 125,66.1 61.9,66.1
GND3 on Bottom Layer "GND3_L02_P065" (solid, remove dead copper, pour order 65): 61.9,123.9 61.9,129.1 125,129.1 125,94.1 61.9,94.1
GND2 on Bottom Layer "GND2_L02_P070" (solid, remove dead copper, pour order 70): 61.9,151.9 61.9,157.1 125,157.1 125,130.1 61.9,130.1
GND1 on Bottom Layer "GND1_L02_P069" (solid, remove dead copper, pour order 69): 61.9,193.5 119.992,193.5 cw(c120,188.5) 125,188.5 125,158.1 61.9,158.1
SW1 on Bottom Layer "SW1_L02_P001" (solid, remove dead copper, pour order 1): 51,178.5 45,178.5 45,162.15 45,148.8 51,148.8 51,143.5 39,143.5 39,184.9 51,184.9

## Keep-outs
Keep-Out Layer:
  the board outline again, w0.1

## Silkscreen, mask and mechanical layers (free items; w line width, h text height)
Top Overlay:
  text "-" at 110.9,182.233 h0.8 r90
  text "+" at 110.233,175.6 h0.8
  text "-" at 110.9,146.233 h0.8 r90
  text "+" at 110.233,140.1 h0.8
  text "-" at 110.9,118.233 h0.8 r90
  text "VIN" at 6.05,115.394 h4
  text "+" at 110.233,112.1 h0.8
  text "-" at 110.9,81.733 h0.8 r90
  text "+" at 110.233,75.1 h0.8
  text "GND" at 5.274,74.619 h4
  text "-" at 110.9,54.233 h0.8 r90
  text "+" at 110.233,47.6 h0.8
  text "-" at 110.9,17.733 h0.8 r90
  text "+" at 110.233,11.6 h0.8
Bottom Overlay:
  text "VOUT: 25V" at 27.689,82.625 h7 r270
  text "VIN: 100 - 480V" at 32.689,78.195 h7 r270